# KiCad board cm4-printing-deck.kicad_pcb
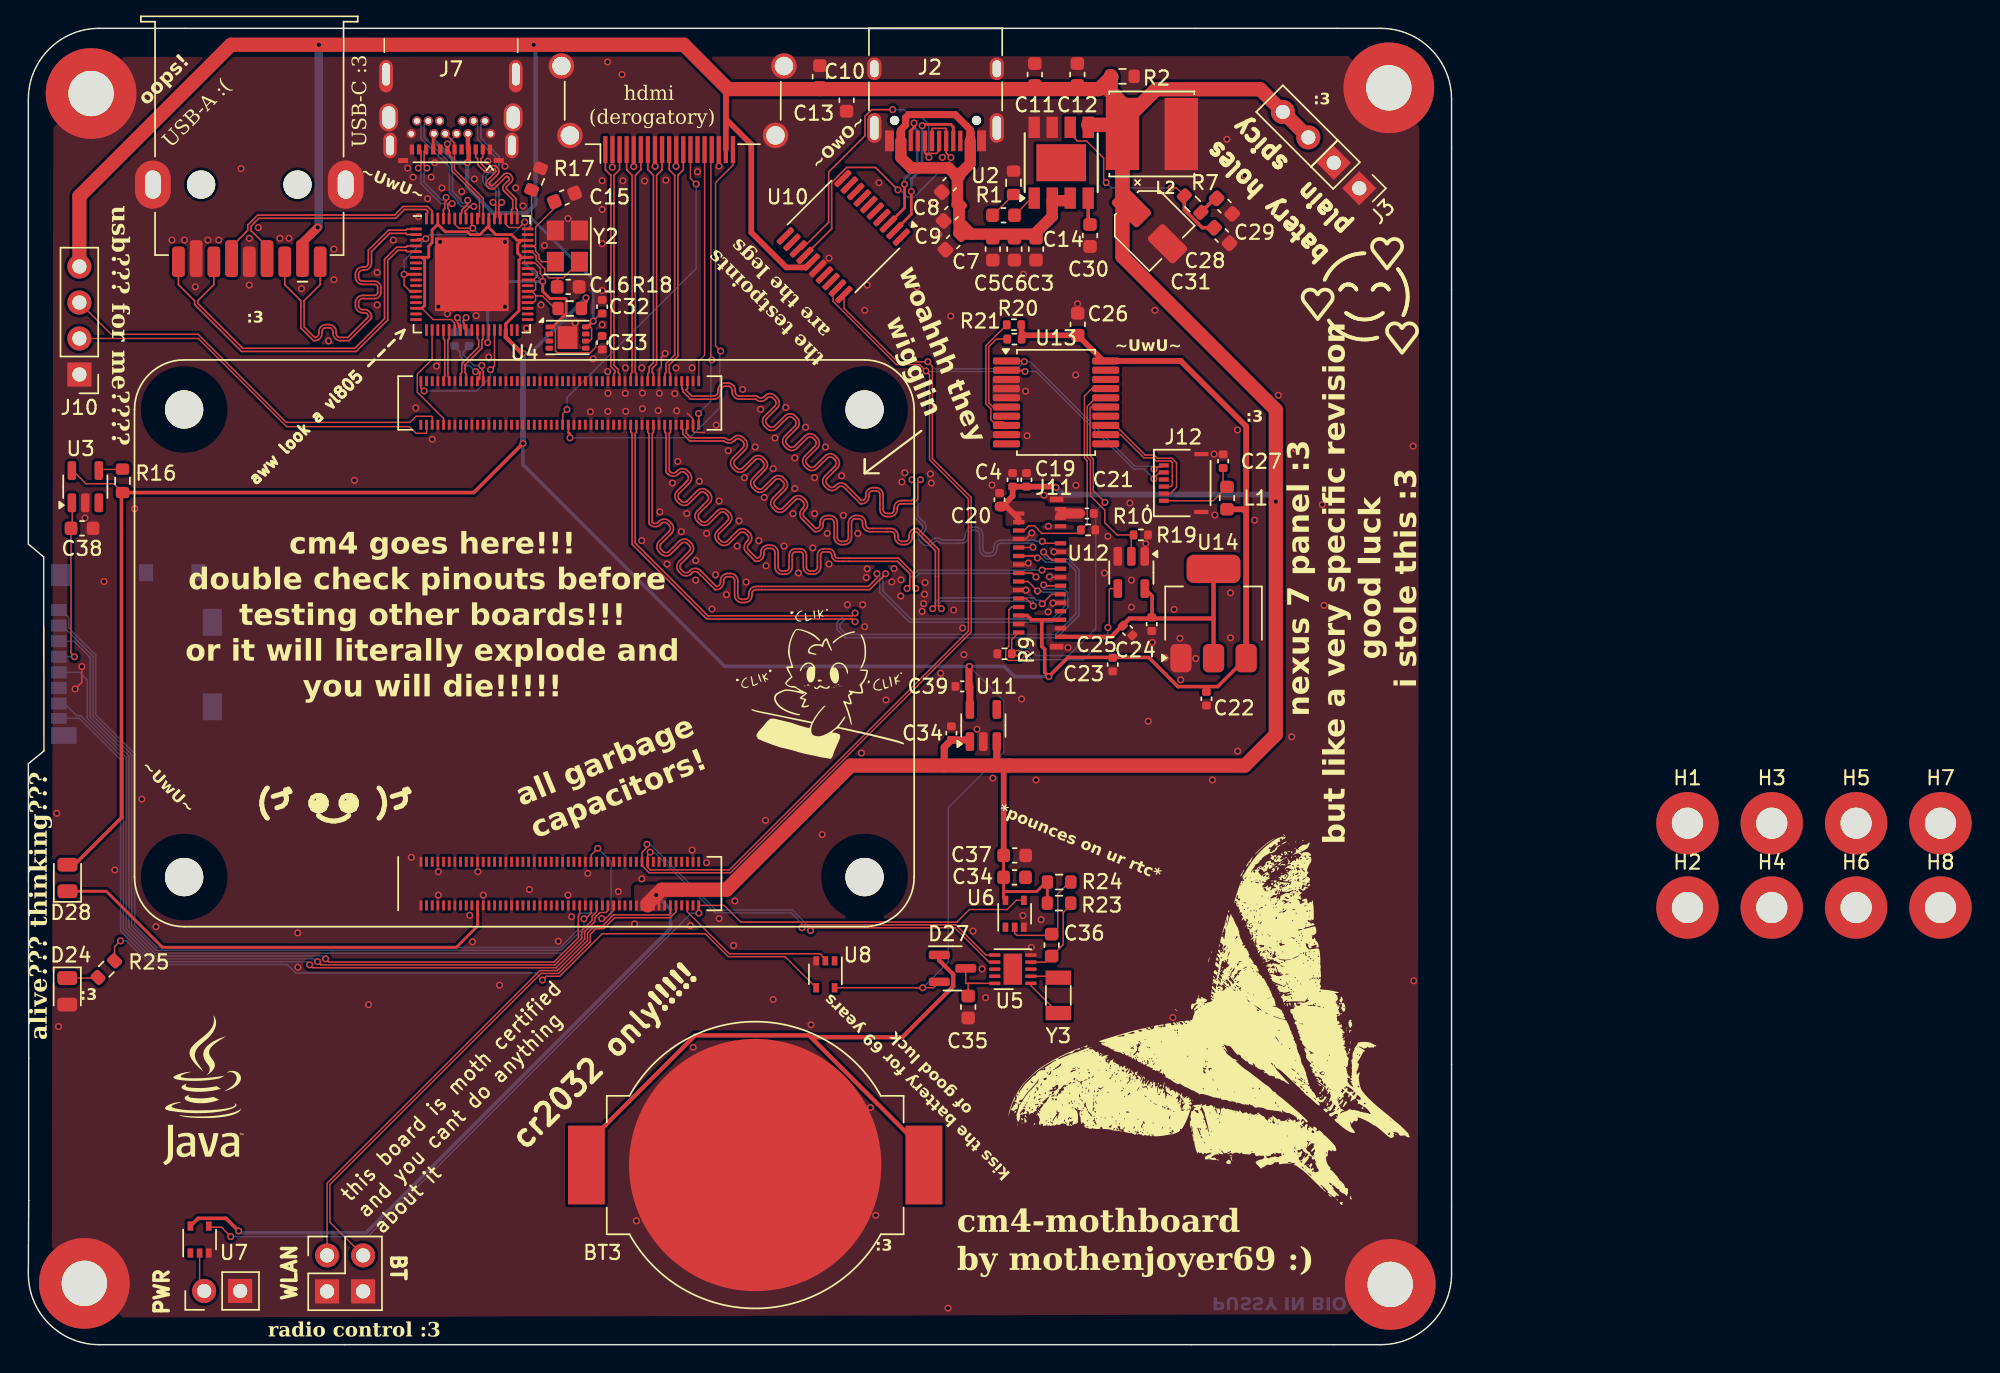
[diagram p0: board, top side]
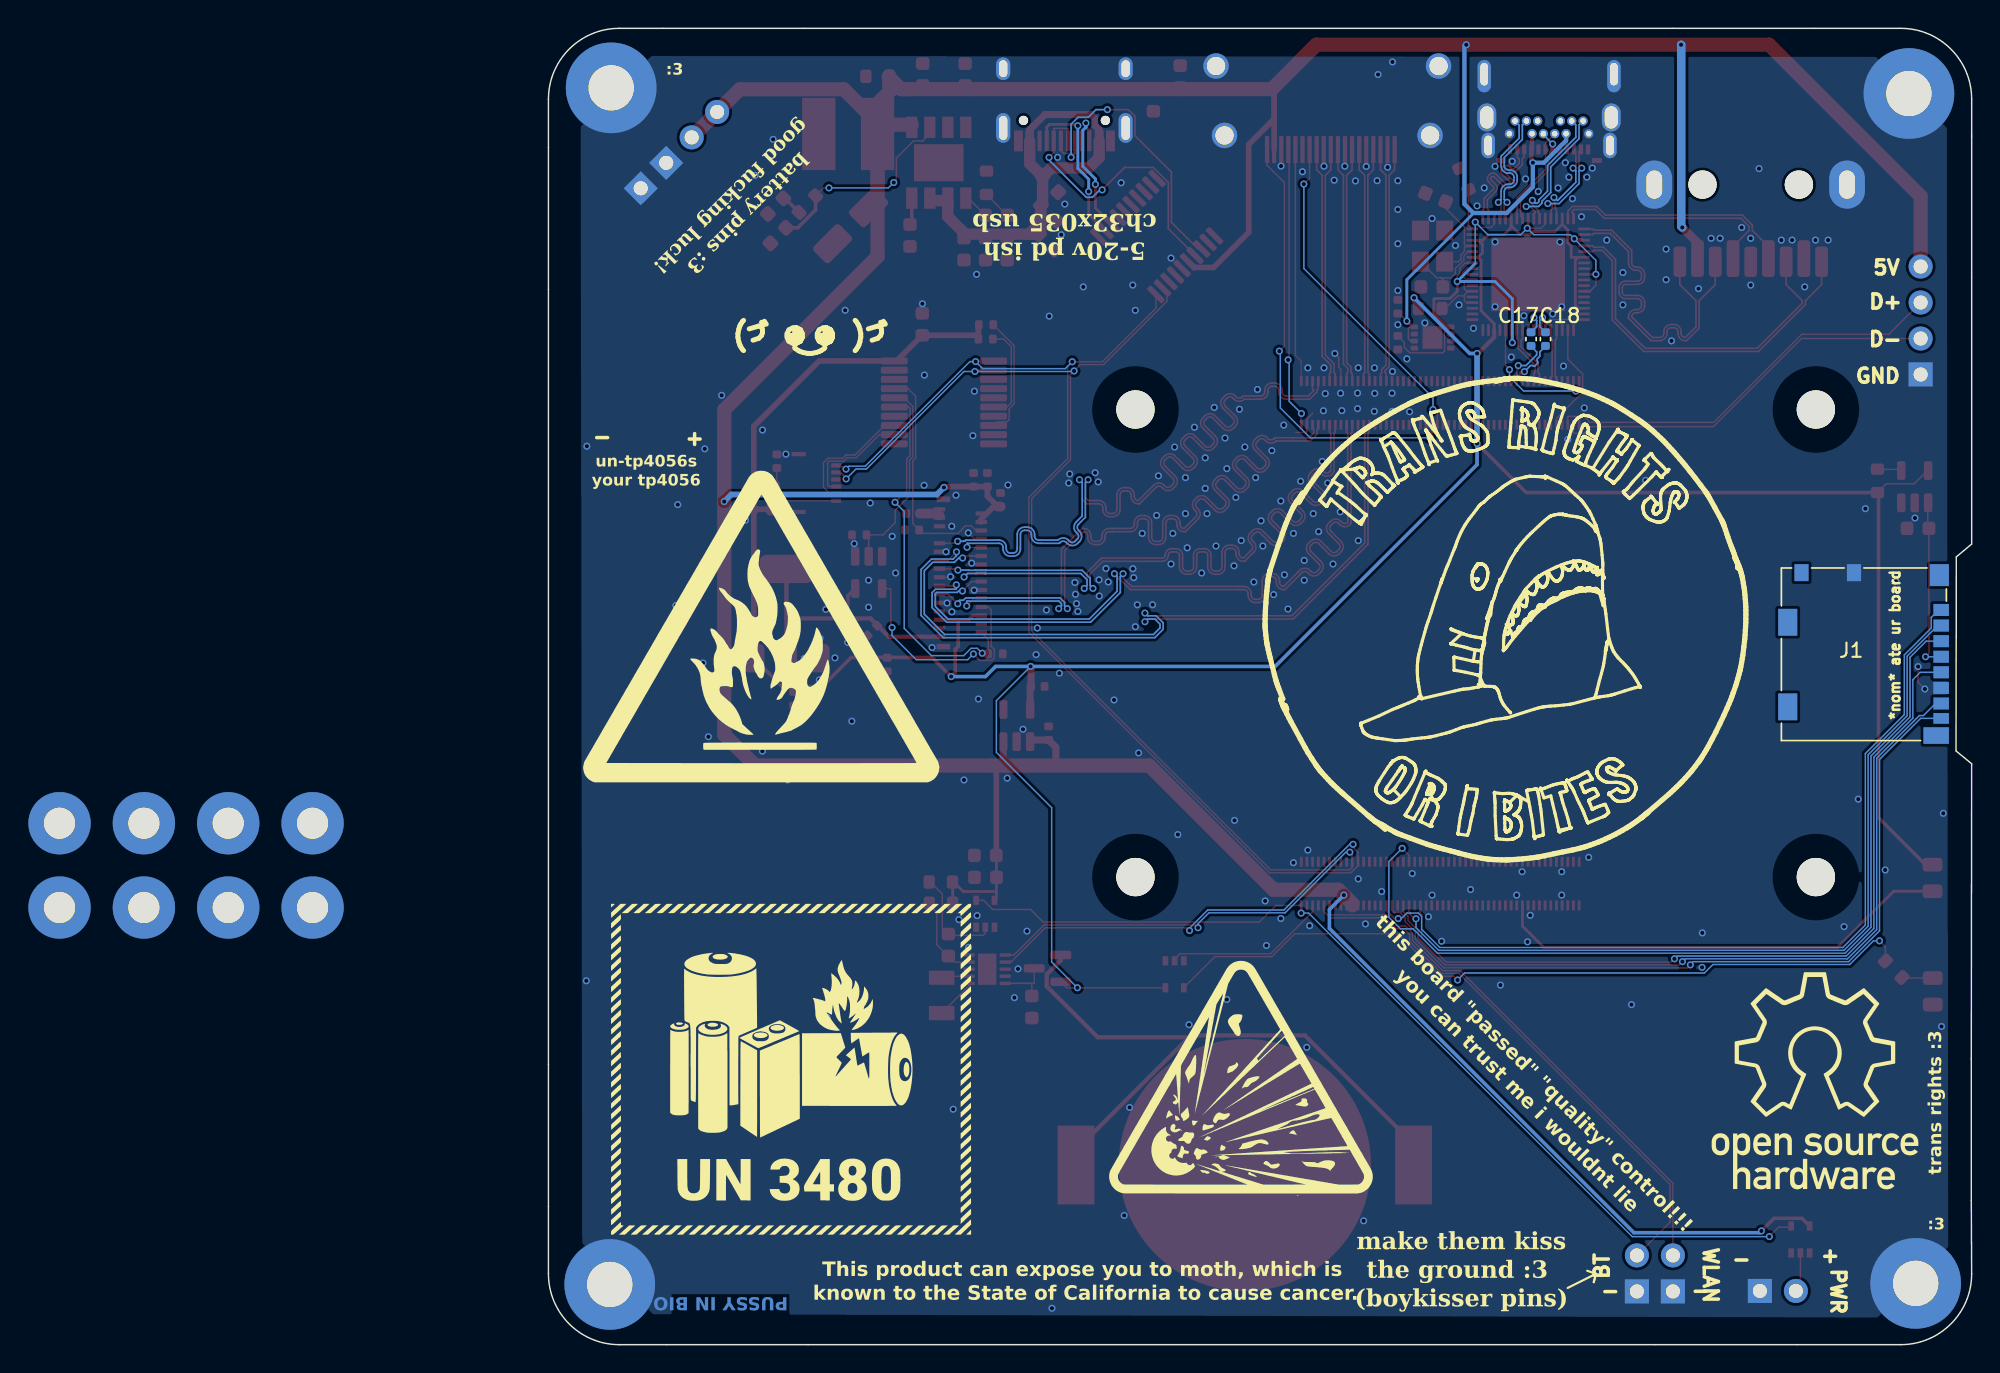
[diagram p1: board, bottom side, seen from below]

Outline 100.4 x 92.9 mm; copper layers: Top, In1.Cu, In2.Cu, Bottom. Coordinates in mm from the lower left corner of the outline.
Outline path: 0,87.9 arc(1.46,91.44) 5,92.9 95.4,92.9 arc(98.94,91.44) 100.4,87.9 100.4,5 arc(98.94,1.46) 95.4,0 5,0 arc(1.46,1.46) 0,5 0.03,10.18 0.03,20.18 0,41 1.1,41.9 1.08,55.59 0,56.5 0,87.9
Stack: Top 0.035mm / dielectric 0.1mm FR4 er 4.5 / In1.Cu 0.035mm / dielectric 1.24mm FR4 er 4.5 / In2.Cu 0.035mm / dielectric 0.1mm FR4 er 4.5 / Bottom 0.035mm

## Placement (name value [footprint] x y rotation side)
BT3  CR2032  [BatteryHolder_MPD_BC2003_1x2032]  51.27 12.68 0 top
C3  10u  [C_0603_1608Metric]  71.09 77.32 270 top
C4  22uF  [C_0402_1005Metric]  70.41 61.04 270 top
C5  10u  [C_0603_1608Metric]  68.04 77.32 270 top
C6  10u  [C_0603_1608Metric]  69.56 77.32 270 top
C7  10u  [C_0603_1608Metric]  65.24 77.83 225 top
C8  10u  [C_0603_1608Metric]  64.99 81.89 225 top
C9  10u  [C_0603_1608Metric]  65.12 79.86 225 top
C10  10u  [C_0603_1608Metric]  57.72 87.82 270 top
C11  10u  [C_0603_1608Metric]  71 89.64 90 top
C12  10u  [C_0603_1608Metric]  74 89.64 90 top
C13  10u  [C_0603_1608Metric]  55.84 89.49 90 top
C14  100n  [C_0603_1608Metric]  68.79 79.71 0 top
C15  22pF  [C_0603_1608Metric]  37.82 80.97 202.5 top
C16  22pF  [C_0603_1608Metric]  38.08 74.65 180 top
C17  100n  [C_0402_1005Metric]  31.08 70.97 90 bottom
C18  100n  [C_0402_1005Metric]  30.06 70.97 90 bottom
C19  0.1uF  [C_0402_1005Metric]  69.44 61.04 270 top
C20  0.1uF  [C_0402_1005Metric]  68.51 59.63 270 top
C21  0.1uF  [C_0402_1005Metric]  74.68 58.66 180 top
C22  22uF  [C_0402_1005Metric]  83.11 45.59 90 top
C23  0.1uF  [C_0402_1005Metric]  76.5 48 90 top
C24  0.1uF  [C_0402_1005Metric]  79.25 50.85 90 top
C25  0.1uF  [C_0402_1005Metric]  77.55 50.4 135 top
C26  0.1uF  [C_0603_1608Metric]  74.03 72.01 270 top
C27  0.1uF  [C_0402_1005Metric]  84.29 62.35 270 top
C28  10n  [C_0603_1608Metric]  84.19 78.28 315 top
C29  1.2n  [C_0603_1608Metric]  84.38 80.35 315 top
C30  100n  [C_0603_1608Metric]  74.9 78.28 270 top
C31  100uF  [CP_Elec_4x4.5]  79.09 78.97 315 top
C32  10uF  [C_0402_1005Metric]  40.48 73.26 270 top
C33  10uF  [C_0402_1005Metric]  40.48 70.72 90 top
C34  100uf  [C_0603_1608Metric]  69.57 32.98 0 top
C34#2  1uF  [C_0402_1005Metric]  65.12 43.16 90 top
C35  100n  [C_0603_1608Metric]  66.3 23.83 90 top
C36  100n  [C_0603_1608Metric]  72.19 28.2 270 top
C37  100n  [C_0603_1608Metric]  69.58 34.53 180 top
C38  10u  [C_0603_1608Metric]  3.79 57.61 180 top
C39  1uF  [C_0402_1005Metric]  65.88 46.46 180 top
D24  ACTIVITY_LED  [LED_0805_2012Metric]  2.76 32.94 90 top
D27  BAT54C  [SOT-23]  65.19 26.56 0 top
D28  RED_PWR_LED  [LED_0805_2012Metric]  2.74 24.94 270 top
H1  MountingHole  [MountingHole_2.2mm_M2_Pad]  117.04 36.8 0 top
H2  MountingHole  [MountingHole_2.2mm_M2_Pad]  117.04 30.85 0 top
H3  MountingHole  [MountingHole_2.2mm_M2_Pad]  122.99 36.8 0 top
H4  MountingHole  [MountingHole_2.2mm_M2_Pad]  122.99 30.85 0 top
H5  MountingHole  [MountingHole_2.2mm_M2_Pad]  128.94 36.8 0 top
H6  MountingHole  [MountingHole_2.2mm_M2_Pad]  128.94 30.85 0 top
H7  MountingHole  [MountingHole_2.2mm_M2_Pad]  134.89 36.8 0 top
H8  MountingHole  [MountingHole_2.2mm_M2_Pad]  134.89 30.85 0 top
J1  Micro_SD_Card  [microSD_HC_Molex_104031-0811]  7.6 48.75 270 bottom
J2  USB_C_Receptacle_USB2.0_14P  [USB_C_Receptacle_HRO_TYPE-C-31-M-12]  64 89 180 top
J3  PWR_BAT  [PinHeader_1x04_P2.54mm_Vertical#2]  93.89 81.61 225 top
J6  HDMI_A  [HDMI_A_Amphenol_10029449-x01xLF_Horizontal]  45.46 89.34 180 top
J7  USB3_A  [USB_C_Receptacle_CNCTech_C-ARA1-AK51X]  29.81 87.66 180 top
J8  USB3_A  [USB3_A_Receptacle_Wuerth_692122030100]  15.59 85.32 180 top
J10  KB_USB  [PinHeader_1x04_P2.54mm_Vertical]  3.6 68.47 180 top
J11  -  [3-2328724-1]  72.81 58.96 90 top
J12  MOLEX_503480-0600  [screen_conn_2_nexus]  81.5 60.81 90 top
L1  BLM18TG121TN1D  [L_0603_1608Metric]  84.56 59.74 270 top
L2  SRN6045TA-3R3Y  [IND_SRN6045TA-3R3Y]  79.26 85.45 180 top
R1  10r  [R_0603_1608Metric]  69.5 82 90 top
R2  20k  [R_0603_1608Metric]  77.18 89.51 180 top
R7  20k  [R_0603_1608Metric]  82.13 80.5 135 top
R9  10k  [R_0402_1005Metric]  68.86 48.76 0 top
R10  10k  [R_0402_1005Metric]  74.76 57.5 0 top
R16  12k  [R_0603_1608Metric]  6.64 60.96 270 top
R17  6.04k  [R_0603_1608Metric]  35.82 82.26 247.5 top
R18  15k  [R_0603_1608Metric]  38.19 73.13 180 top
R19  10k  [R_0402_1005Metric]  78.48 57.15 0 top
R20  10k  [R_0402_1005Metric]  69.56 70.97 180 top
R21  10k  [R_0402_1005Metric]  69.53 71.98 180 top
R23  510k  [R_0603_1608Metric]  72.71 31.16 0 top
R24  510k  [R_0603_1608Metric]  72.72 32.65 0 top
R25  1.5k  [R_0603_1608Metric]  5.5 26.5 45 top
REF**  -  [MountingHole_3.2mm_M3_Pad]  4.43 88.3 0 top
REF**#2  -  [MountingHole_3.2mm_M3_Pad]  96.07 4.25 0 top
REF**#3  -  [MountingHole_3.2mm_M3_Pad]  3.95 4.32 0 top
REF**#4  -  [MountingHole_3.2mm_M3_Pad]  95.98 88.7 0 top
SW20  Power  [PinHeader_1x02_P2.54mm_Vertical]  12.4 3.79 90 top
SW62  WIFIBT_DISABLE  [PinHeader_2x02_P2.54mm_Vertical]  21.07 6.3 0 top
U1  Compute_Module_4_Connectors  [Raspberry-Pi-4-Compute-Module]  58.99 33 90 top
U2  AP64501SP-13  [Diodes_SO-8EP]  72.86 83.42 90 top
U3  RT9742GGJ5  [TSOT-23-5]  4.02 60.55 90 top
U4  TPS784105QWDRBRQ1  [SON-8-1EP_3x2mm_P0.5mm_EP1.4x1.6mm]  38.04 71.08 0 top
U5  PCF85063ATL  [DFN-10-1EP_2.6x2.6mm_P0.5mm_EP1.3x2.2mm]  69.45 26.5 180 top
U6  74LVC1G07  [SOT-353_SC-70-5]  69.58 30.41 90 top
U7  74LVC1G07  [SOT-353_SC-70-5]  12.08 7.42 90 top
U8  74LVC1G07  [SOT-353_SC-70-5]  56.23 26.14 270 top
U9  VL805  [QFN-68-1EP_8x8mm_P0.4mm_EP5.2x5.2mm]  31.28 75.54 0 top
U10  CH32X05  [TSSOP-20_4.4x6.5mm_P0.65mm]  57.5 78.21 225 top
U11  AP2112K-3.3  [SOT-23-5]  67.37 43.7 90 top
U12  SN74LVC1G34DBVRG4  [SOT-23-5]  77.81 54.5 270 top
U13  MCP23008T-E_SS  [SSOP-20_5.3x7.2mm_P0.65mm]  72.5 66.5 0 top
U14  AP1117-18  [SOT-223-3_TabPin2]  83.61 51.6 90 top
Y2  Crystal_GND23  [Crystal_SMD_3225-4Pin_3.2x2.5mm]  38.03 77.53 90 top
Y3  Crystal  [Crystal_SMD_3215-2Pin_3.2x1.5mm]  72.66 24.65 90 top

## Library data of the parts
C3 C5-C14 C28-C30 C32 C33 C34#2 C39 = -: Description: Unpolarized capacitor; ki_fp_filters: C_*
C4 C15-C27 C35-C38 = -: ki_fp_filters: C_*
C31 = -: Datasheet: C401737; Description: Polarized capacitor; ki_fp_filters: CP_*
C34 = -: Description: Polarized capacitor
D24 D28 = -: ki_fp_filters: LED* LED_SMD:* LED_THT:*
D27 = -: Datasheet: http://www.diodes.com/_files/datasheets/ds11005.pdf; ki_fp_filters: SOT?23*
H1-H8 = -: Description: Mounting Hole without connection; ki_fp_filters: MountingHole*
J1 = -: Datasheet: http://katalog.we-online.de/em/datasheet/693072010801.pdf; ki_fp_filters: microSD*
J2 = -: Datasheet: https://www.usb.org/sites/default/files/documents/usb_type-c.zip; ki_fp_filters: USB*C*Receptacle*
J3 = -: Description: Generic connector, single row, 01x04, script generated; ki_fp_filters: Connector*:*_1x??_*
J6 = -: Datasheet: https://en.wikipedia.org/wiki/HDMI; ki_fp_filters: HDMI*A*
J7 = -: Datasheet: https://www.usb.org/sites/default/files/documents/usb_type-c.zip; Description: USB Full-Featured Type-C Receptacle connector; ki_fp_filters: USB*C*Receptacle*
J8 = -: ki_fp_filters: USB3*
J10 = -: Description: Generic connector, single row, 01x04, script generated (kicad-library-utils/schlib/autogen/connector/); ki_fp_filters: Connector*:*_1x??_*
J12 = -: MAXIMUM_PACKAGE_HEIGHT: 1.87 mm; PARTREV: H; MANUFACTURER: Molex; STANDARD: Manufacturer Recommendations
L1 = -: ki_fp_filters: Choke_* *Coil* Inductor_* L_*
L2 = -: Description: C3221229; MANUFACTURER: BOURNS; STANDARD: Manufacturer Recommendations
R1 R2 R7 = -: Description: Resistor; ki_fp_filters: R_*
R9 R10 R16-R21 R23-R25 = -: ki_fp_filters: R_*
SW62 = -: ki_fp_filters: SW?DIP?x2*
U2 = -: ki_fp_filters: SO-8EP_DIO SO-8EP_DIO-M SO-8EP_DIO-L
U3 = -: ki_fp_filters: RT9742GGJ5_RIT RT9742GGJ5_RIT-M RT9742GGJ5_RIT-L
U4 = -: Datasheet: .; Description: .; ki_fp_filters: VSON*1EP*3x3mm*P0.65mm*
U5 = -: Datasheet: https://www.nxp.com/docs/en/data-sheet/PCF85063A.pdf; ki_fp_filters: DFN*2.6x2.6mm*P0.5mm*
U6-U8 = -: Datasheet: https://www.ti.com/lit/ds/symlink/sn74lvc1g07.pdf; ki_fp_filters: SOT?23* Texas?R-PDSO-G5?DCK* Texas?R-PDSO-N5?DRL* Texas?X2SON*0.8x0.8mm*P0.48mm*
U9 = -: Description: https://www.aliexpress.com/item/1005005188768887.html
U10 = -: Datasheet: .; Description: .; ki_fp_filters: TSSOP*4.4x6.5mm*P0.65mm*
U11 = -: Datasheet: https://www.diodes.com/assets/Datasheets/AP2112.pdf; Description: 600mA low dropout linear regulator, with enable pin, 3.8V-6V input voltage range, 3.3V fixed positive output, SOT-23-5; ki_fp_filters: SOT?23?5*
U13 = -: Description: C629435; PACKAGE: SSOP-20; OC_NEWARK: 08J8739; MPN: MCP23008T-E/SS; OC_FARNELL: 1605564; SUPPLIER: Microchip
U14 = -: Datasheet: http://www.diodes.com/datasheets/AP1117.pdf; Description: 1A Low Dropout regulator, positive, 1.8V fixed output, SOT-223; ki_fp_filters: SOT?223*TabPin2*
Y2 Y3 = -: ki_fp_filters: Crystal*

## Footprints (pads in the part's own frame, mm; a bottom-side part is the same pattern mirrored in y, then rotated)
3-2328724-1
  rect 0.3x0.8 smd: 1(0,0) 2(-0.3,2.95) 3(-0.6,0) 4(-0.9,2.95) 5(-1.2,0) 6(-1.5,2.95) 8(-2.1,2.95) 9(-2.4,0) 10(-2.7,2.95) 11(-3,0) 12(-3.3,2.95) 13(-3.6,0) 14(-3.9,2.95) 15(-4.2,0) 16(-4.5,2.95) 17(-4.8,0) 18(-5.1,2.95) 19(-5.4,0) 20(-5.7,2.95) 21(-6,0) 22(-6.3,2.95) 23(-6.6,0) 24(-6.9,2.95) 25(-7.2,0) 26(-7.5,2.95) 27(-7.8,0) 28(-8.1,2.95) 29(-8.4,0) 30(-8.7,2.95) 31(-9,0)
  rect 0.4x0.95 smd: SH(-9.7,0.275) SH(0.7,0.275)
BatteryHolder_MPD_BC2003_1x2032
  rect 2.6x5.56 smd: 1(-11.905,0) 1(11.905,0)
  round 17.8 smd: 2(0,0)
C_0402_1005Metric
  rrect 0.56x0.62 smd: 1(-0.48,0) 2(0.48,0)
C_0603_1608Metric
  rrect 0.9x0.95 smd: 1(-0.775,0) 2(0.775,0)
CP_Elec_4x4.5
  rrect 2.6x1.6 smd: 1(-1.8,0) 2(1.8,0)
Crystal_SMD_3215-2Pin_3.2x1.5mm
  rect 1x1.8 smd: 1(1.25,0) 2(-1.25,0)
Crystal_SMD_3225-4Pin_3.2x2.5mm
  rect 1.4x1.2 smd: 1(-1.1,-0.85) 2(1.1,-0.85) 3(1.1,0.85) 4(-1.1,0.85)
DFN-10-1EP_2.6x2.6mm_P0.5mm_EP1.3x2.2mm
  rrect 0.52x0.89 smd: (-0.325,0.55) (-0.325,-0.55) (0.325,0.55) (0.325,-0.55)
  rrect 0.8x0.25 smd: 1(-1.275,1) 2(-1.275,0.5) 3(-1.275,0) 4(-1.275,-0.5) 5(-1.275,-1) 6(1.275,-1) 7(1.275,-0.5) 8(1.275,0) 9(1.275,0.5) 10(1.275,1)
  rect 1.3x2.2 smd: 11(0,0)
Diodes_SO-8EP
  rect 1.505x0.802 smd: 1(-2.498,1.905) 2(-2.498,0.635) 3(-2.498,-0.635) 4(-2.498,-1.905) 5(2.498,-1.905) 6(2.498,-0.635) 7(2.498,0.635) 8(2.498,1.905)
  rect 2.613x3.502 smd: 9(0,0)
HDMI_A_Amphenol_10029449-x01xLF_Horizontal
  rect 0.3x1.9 smd: 1(4.75,5) 2(4.25,5) 3(3.75,5) 4(3.25,5) 5(2.75,5) 6(2.25,5) 7(1.75,5) 8(1.25,5) 9(0.75,5) 10(0.25,5) 11(-0.25,5) 12(-0.75,5) 13(-1.25,5) 14(-1.75,5) 15(-2.25,5) 16(-2.75,5) 17(-3.25,5) 18(-3.75,5) 19(-4.25,5)
  round 1.8 hole 1.3: SH(-7.85,-0.9) SH(-7.25,4) SH(7.25,4) SH(7.85,-0.9)
IND_SRN6045TA-3R3Y
  rect 2.35x5.1 smd: 1(-2.075,0) 2(2.075,0)
L_0603_1608Metric
  rrect 0.875x0.95 smd: 1(-0.787,0) 2(0.787,0)
LED_0805_2012Metric
  rrect 0.975x1.4 smd: 1(-0.938,0) 2(0.938,0)
microSD_HC_Molex_104031-0811
  rect 0.85x1.1 smd: 1(-3.105,5.45) 2(-2.005,5.45) 3(-0.905,5.45) 4(0.195,5.45) 5(1.295,5.45) 6(2.395,5.45) 7(3.495,5.45)
  rect 0.75x1.1 smd: 8(4.545,5.45)
  rect 1.2x1 smd: 9(-5.74,-0.7) 10(-5.74,-4.4)
  rect 1.55x1.35 smd: 11(-5.565,5.325)
  rect 1.9x1.35 smd: 11(-2.24,-5.375) 11(3.73,-5.375)
  rect 1.17x1.8 smd: 11(5.755,5.1)
MountingHole_2.2mm_M2_Pad
  round 4.4 hole 2.2: 1(0,0)
MountingHole_3.2mm_M3_Pad
  round 6.4 hole 3.2: 1(0,0)
PinHeader_1x02_P2.54mm_Vertical
  oval 1.7x1.7 hole 1: 1(0,0)
  rect 1.7x1.7 hole 1: 2(0,-2.54)
PinHeader_1x04_P2.54mm_Vertical
  rect 1.7x1.7 hole 1: 1(0,0)
  oval 1.7x1.7 hole 1: 2(0,-2.54) 3(0,-5.08) 4(0,-7.62)
PinHeader_1x04_P2.54mm_Vertical#2
  rect 1.7x1.7 hole 1: 1(0,0) 2(0,-2.54)
  oval 1.7x1.7 hole 1: 3(0,-5.08) 4(0,-7.62)
PinHeader_2x02_P2.54mm_Vertical
  oval 1.7x1.7 hole 1: 1(0,0) 2(2.54,0)
  rect 1.7x1.7 hole 1: 3(0,-2.54) 4(2.54,-2.54)
QFN-68-1EP_8x8mm_P0.4mm_EP5.2x5.2mm
  rrect 1.05x1.05 smd: (-1.95,1.95) (-1.95,0.65) (-1.95,-0.65) (-1.95,-1.95) (-0.65,1.95) (-0.65,0.65) (-0.65,-0.65) (-0.65,-1.95) (0.65,1.95) (0.65,0.65) (0.65,-0.65) (0.65,-1.95) (1.95,1.95) (1.95,0.65) (1.95,-0.65) (1.95,-1.95)
  rrect 0.825x0.2 smd: 1(-3.938,3.2) 2(-3.938,2.8) 3(-3.938,2.4) 4(-3.938,2) 5(-3.938,1.6) 6(-3.938,1.2) 7(-3.938,0.8) 8(-3.938,0.4) 9(-3.938,0) 10(-3.938,-0.4) 11(-3.938,-0.8) 12(-3.938,-1.2) 13(-3.938,-1.6) 14(-3.938,-2) 15(-3.938,-2.4) 16(-3.938,-2.8) 17(-3.938,-3.2) 35(3.938,-3.2) 36(3.938,-2.8) 37(3.938,-2.4) 38(3.938,-2) 39(3.938,-1.6) 40(3.938,-1.2) 41(3.938,-0.8) 42(3.938,-0.4) 43(3.938,0) 44(3.938,0.4) 45(3.938,0.8) 46(3.938,1.2) 47(3.938,1.6) 48(3.938,2) 49(3.938,2.4) 50(3.938,2.8) 51(3.938,3.2)
  rrect 0.2x0.825 smd: 18(-3.2,-3.938) 19(-2.8,-3.938) 20(-2.4,-3.938) 21(-2,-3.938) 22(-1.6,-3.938) 23(-1.2,-3.938) 24(-0.8,-3.938) 25(-0.4,-3.938) 26(0,-3.938) 27(0.4,-3.938) 28(0.8,-3.938) 29(1.2,-3.938) 30(1.6,-3.938) 31(2,-3.938) 32(2.4,-3.938) 33(2.8,-3.938) 34(3.2,-3.938) 52(3.2,3.938) 53(2.8,3.938) 54(2.4,3.938) 55(2,3.938) 56(1.6,3.938) 57(1.2,3.938) 58(0.8,3.938) 59(0.4,3.938) 60(0,3.938) 61(-0.4,3.938) 62(-0.8,3.938) 63(-1.2,3.938) 64(-1.6,3.938) 65(-2,3.938) 66(-2.4,3.938) 67(-2.8,3.938) 68(-3.2,3.938)
  rect 5.2x5.2 smd: 69(0,0)
R_0402_1005Metric
  rrect 0.54x0.64 smd: 1(-0.51,0) 2(0.51,0)
R_0603_1608Metric
  rrect 0.8x0.95 smd: 1(-0.825,0) 2(0.825,0)
Raspberry-Pi-4-Compute-Module
  round 2.7 hole 2.7 unplated: (0,48) (0,0) (33,48) (33,0)
  rect 0.7x0.2 smd: 1(-2,31.3) 2(1.08,31.3) 3(-2,30.9) 4(1.08,30.9) 5(-2,30.5) 6(1.08,30.5) 7(-2,30.1) 8(1.08,30.1) 9(-2,29.7) 10(1.08,29.7) 11(-2,29.3) 12(1.08,29.3) 13(-2,28.9) 14(1.08,28.9) 15(-2,28.5) 16(1.08,28.5) 17(-2,28.1) 18(1.08,28.1) 19(-2,27.7) 20(1.08,27.7) 21(-2,27.3) 22(1.08,27.3) 23(-2,26.9) 24(1.08,26.9) 25(-2,26.5) 26(1.08,26.5) 27(-2,26.1) 28(1.08,26.1) 29(-2,25.7) 30(1.08,25.7) 31(-2,25.3) 32(1.08,25.3) 33(-2,24.9) 34(1.08,24.9) 35(-2,24.5) 36(1.08,24.5) 37(-2,24.1) 38(1.08,24.1) 39(-2,23.7) 40(1.08,23.7) 41(-2,23.3) 42(1.08,23.3) 43(-2,22.9) 44(1.08,22.9) 45(-2,22.5) 46(1.08,22.5) 47(-2,22.1) 48(1.08,22.1) 49(-2,21.7) 50(1.08,21.7) 51(-2,21.3) 52(1.08,21.3) 53(-2,20.9) 54(1.08,20.9) 55(-2,20.5) 56(1.08,20.5) 57(-2,20.1) 58(1.08,20.1) 59(-2,19.7) 60(1.08,19.7) 61(-2,19.3) 62(1.08,19.3) 63(-2,18.9) 64(1.08,18.9) 65(-2,18.5) 66(1.08,18.5) 67(-2,18.1) 68(1.08,18.1) 69(-2,17.7) 70(1.08,17.7) 71(-2,17.3) 72(1.08,17.3) 73(-2,16.9) 74(1.08,16.9) 75(-2,16.5) 76(1.08,16.5) 77(-2,16.1) 78(1.08,16.1) 79(-2,15.7) 80(1.08,15.7) 81(-2,15.3) 82(1.08,15.3) 83(-2,14.9) 84(1.08,14.9) 85(-2,14.5) 86(1.08,14.5) 87(-2,14.1) 88(1.08,14.1) 89(-2,13.7) 90(1.08,13.7) 91(-2,13.3) 92(1.08,13.3) 93(-2,12.9) 94(1.08,12.9) 95(-2,12.5) 96(1.08,12.5) 97(-2,12.1) 98(1.08,12.1) 99(-2,11.7) 100(1.08,11.7) 101(31.92,31.3) 102(35,31.3) 103(31.92,30.9) 104(35,30.9) 105(31.92,30.5) 106(35,30.5) 107(31.92,30.1) 108(35,30.1) 109(31.92,29.7) 110(35,29.7) 111(31.92,29.3) 112(35,29.3) 113(31.92,28.9) 114(35,28.9) 115(31.92,28.5) 116(35,28.5) 117(31.92,28.1) 118(35,28.1) 119(31.92,27.7) 120(35,27.7) 121(31.92,27.3) 122(35,27.3) 123(31.92,26.9) 124(35,26.9) 125(31.92,26.5) 126(35,26.5) 127(31.92,26.1) 128(35,26.1) 129(31.92,25.7) 130(35,25.7) 131(31.92,25.3) 132(35,25.3) 133(31.92,24.9) 134(35,24.9) 135(31.92,24.5) 136(35,24.5) 137(31.92,24.1) 138(35,24.1) 139(31.92,23.7) 140(35,23.7) 141(31.92,23.3) 142(35,23.3) 143(31.92,22.9) 144(35,22.9) 145(31.92,22.5) 146(35,22.5) 147(31.92,22.1) 148(35,22.1) 149(31.92,21.7) 150(35,21.7) 151(31.92,21.3) 152(35,21.3) 153(31.92,20.9) 154(35,20.9) 155(31.92,20.5) 156(35,20.5) 157(31.92,20.1) 158(35,20.1) 159(31.92,19.7) 160(35,19.7) 161(31.92,19.3) 162(35,19.3) 163(31.92,18.9) 164(35,18.9) 165(31.92,18.5) 166(35,18.5) 167(31.92,18.1) 168(35,18.1) 169(31.92,17.7) 170(35,17.7) 171(31.92,17.3) 172(35,17.3) 173(31.92,16.9) 174(35,16.9) 175(31.92,16.5) 176(35,16.5) 177(31.92,16.1) 178(35,16.1) 179(31.92,15.7) 180(35,15.7) 181(31.92,15.3) 182(35,15.3) 183(31.92,14.9) 184(35,14.9) 185(31.92,14.5) 186(35,14.5) 187(31.92,14.1) 188(35,14.1) 189(31.92,13.7) 190(35,13.7) 191(31.92,13.3) 192(35,13.3) 193(31.92,12.9) 194(35,12.9) 195(31.92,12.5) 196(35,12.5) 197(31.92,12.1) 198(35,12.1) 199(31.92,11.7) 200(35,11.7)
screen_conn_2_nexus
  rect 0.3x0.7 smd: 1(-1.25,1.4) 2(-0.75,1.4) 3(-0.25,1.4) 4(0.25,1.4) 5(0.75,1.4) 6(1.25,1.4)
  rect 0.3x1 smd: S1(-2.04,-1.25) S2(2.04,-1.25)
SON-8-1EP_3x2mm_P0.5mm_EP1.4x1.6mm
  rrect 0.56x0.64 smd: (-0.35,0.4) (-0.35,-0.4) (0.35,0.4) (0.35,-0.4)
  rrect 0.525x0.35 smd: 1(-1.288,0.75) 2(-1.288,0.25) 3(-1.288,-0.25) 4(-1.288,-0.75) 5(1.288,-0.75) 6(1.288,-0.25) 7(1.288,0.25) 8(1.288,0.75)
  rect 1.4x1.6 smd: 9(0,0)
SOT-23
  rrect 1.475x0.6 smd: 1(-0.938,0.95) 2(-0.938,-0.95) 3(0.938,0)
SOT-23-5
  rrect 1.325x0.6 smd: 1(-1.137,0.95) 2(-1.137,0) 3(-1.137,-0.95) 4(1.137,-0.95) 5(1.137,0.95)
SOT-223-3_TabPin2
  rrect 2x1.5 smd: 1(-3.15,2.3) 2(-3.15,0) 3(-3.15,-2.3)
  rrect 2x3.8 smd: 2(3.15,0)
SOT-353_SC-70-5
  rect 0.65x0.4 smd: 1(-0.95,0.65) 2(-0.95,0) 3(-0.95,-0.65) 4(0.95,-0.65) 5(0.95,0.65)
SSOP-20_5.3x7.2mm_P0.65mm
  rrect 1.9x0.5 smd: 1(-3.5,2.925) 2(-3.5,2.275) 3(-3.5,1.625) 4(-3.5,0.975) 5(-3.5,0.325) 6(-3.5,-0.325) 7(-3.5,-0.975) 8(-3.5,-1.625) 9(-3.5,-2.275) 10(-3.5,-2.925) 11(3.5,-2.925) 12(3.5,-2.275) 13(3.5,-1.625) 14(3.5,-0.975) 15(3.5,-0.325) 16(3.5,0.325) 17(3.5,0.975) 18(3.5,1.625) 19(3.5,2.275) 20(3.5,2.925)
TSOT-23-5
  rrect 1.325x0.6 smd: 1(-1.137,0.95) 2(-1.137,0) 3(-1.137,-0.95) 4(1.137,-0.95) 5(1.137,0.95)
TSSOP-20_4.4x6.5mm_P0.65mm
  rrect 1.475x0.4 smd: 1(-2.862,2.925) 2(-2.862,2.275) 3(-2.862,1.625) 4(-2.862,0.975) 5(-2.862,0.325) 6(-2.862,-0.325) 7(-2.862,-0.975) 8(-2.862,-1.625) 9(-2.862,-2.275) 10(-2.862,-2.925) 11(2.862,-2.925) 12(2.862,-2.275) 13(2.862,-1.625) 14(2.862,-0.975) 15(2.862,-0.325) 16(2.862,0.325) 17(2.862,0.975) 18(2.862,1.625) 19(2.862,2.275) 20(2.862,2.925)
USB3_A_Receptacle_Wuerth_692122030100
  round 2 hole 2 unplated: (-3.4,3.45) (3.4,3.45)
  rrect 0.9x2.6 smd: 1(-3.75,8.67) 2(-1.25,8.67) 3(1.25,8.67) 4(3.75,8.67)
  rrect 0.9x2.15 smd: 5(5,8.895) 6(2.5,8.895) 7(0,8.895) 8(-2.5,8.895) 9(-5,8.895)
  oval 2.52x3.4 hole 1.12x2: 10(-6.8,3.45) 10(6.8,3.45)
USB_C_Receptacle_CNCTech_C-ARA1-AK51X
  rect 0.3x0.7 smd: A1(-2.75,3.31) A2(-2.25,3.31) A3(-1.75,3.31) A4(-1.25,3.31) A5(-0.75,3.31) A6(-0.25,3.31) A7(0.25,3.31) A8(0.75,3.31) A9(1.25,3.31) A10(1.75,3.31) A11(2.25,3.31) A12(2.75,3.31)
  round 0.65 hole 0.4: B1(2.8,2.2) B2(2.4,1.3) B3(1.6,1.3) B4(1.2,2.2) B5(0.8,1.3) B6(0.4,2.2) B7(-0.4,2.2) B8(-0.8,1.3) B9(-1.2,2.2) B10(-1.6,1.3) B11(-2.4,1.3) B12(-2.8,2.2)
  oval 0.95x2.28 hole 0.55x1.6: S1(-4.575,-2) S1(4.575,-2)
  oval 1.33x1.98 hole 0.93x1.58: S1(-4.39,1.05) S1(4.39,1.05)
  oval 0.95x1.8 hole 0.55x1.4: S1(-4.295,3.03) S1(4.295,3.03)
  rect 0.7x0.35 smd: S1(-3.375,4.095) S1(3.375,4.095)
USB_C_Receptacle_HRO_TYPE-C-31-M-12
  round 0.65 hole 0.65 unplated: (-2.89,2.6) (2.89,2.6)
  rect 0.6x1.45 smd: A1(-3.25,4.045) A4(-2.45,4.045) A9(2.45,4.045) A12(3.25,4.045) B1(3.25,4.045) B4(2.45,4.045) B9(-2.45,4.045) B12(-3.25,4.045)
  rect 0.3x1.45 smd: A5(-1.25,4.045) A6(-0.25,4.045) A7(0.25,4.045) A8(1.25,4.045) B5(1.75,4.045) B6(0.75,4.045) B7(-0.75,4.045) B8(-1.75,4.045)
  oval 1x2.1 hole 0.6x1.7: S1(-4.32,3.13) S1(4.32,3.13)
  oval 1x1.6 hole 0.6x1.2: S1(-4.32,-1.05) S1(4.32,-1.05)
